# Altium PCB RFMC.PcbDoc (part 2 of 5)
Units mm, origin at the board's own origin, x right, y up, seen from the top; angles counter-clockwise.
Board outline 79.47 x 143.38 mm, 8 copper layers (Top Layer, Layer 1, Layer 2, Layer 3, Layer 4, Layer 5, Layer 6, Bottom Layer), stack 1.644 mm thick; 295 components, 245 nets, 1444 pads, 1952 vias.
Unrouted connection lines stored in the file: 1.
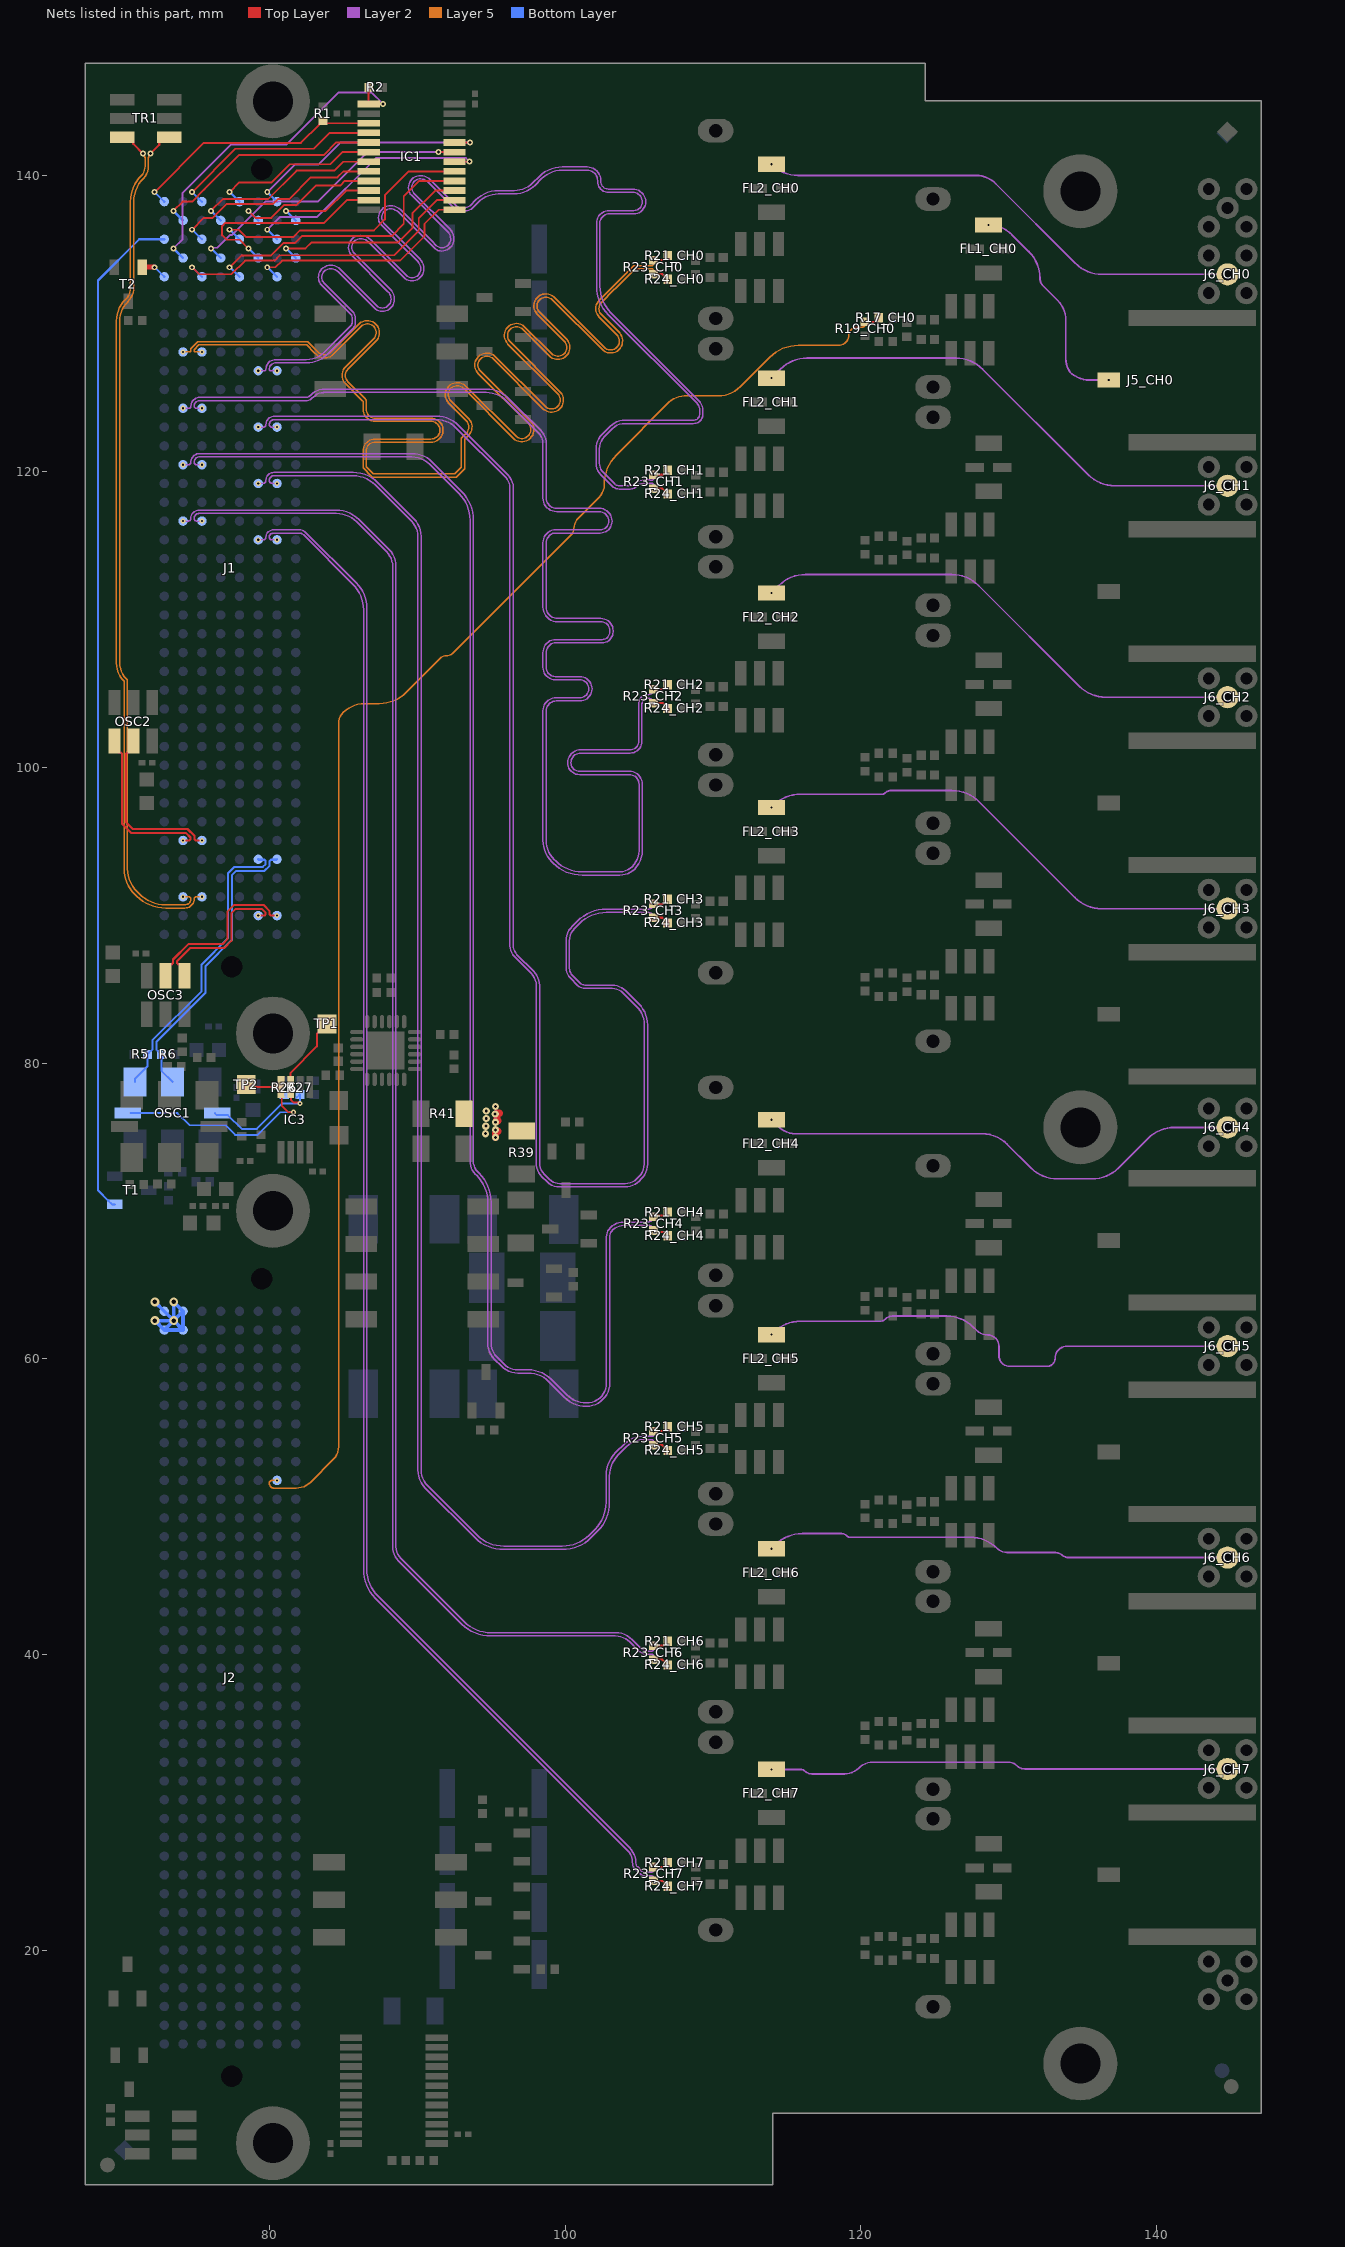
[diagram p8: the nets of this part, all layers, seen from the top]

## Part data
B1 B2 B3 B4 B14 B15 B16: library part PLATED_HOLE2.7_PAD5.0, "Single Terminal Socket", Author="CERN DEM JMW", Component Type="Standard (No BOM)", ComponentHeight=0mm, CreateDate=27.09.2011, Family="Plated Hole", HelpURL=Undefined, LatestRevisionDate=27.09.2011, Mounted=No, PackageDescription="Plated Through Hole: Hole Dia.=2.7mm Pad Dia.=5.0mm", Part Description="Plated Through Hole: Hole Dia.=2.7mm Pad Dia.=5.0mm", Part Number=PLATED_HOLE2.7_PAD5.0, Pin Count=1, Sense=No, SMD=No, Socket=No, Status=None
C1 C14: library part CC0603_4.7UF_25V_10%_X5R, "Non-polarised capacitor", Case=0603, Manufacturer=GENERIC, Manufacturer1 ComponentHeight=0.95mm, Manufacturer1 Example=MURATA, Manufacturer1 Part Number=GRM188R61E475KE11D, Tolerance=±10%, Voltage=25V, Author="CERN DEM JLC", Component Type=Standard, CreateDate=10.11.2014, HelpURL=\\cern.ch\dfs\Applications\Altium\Datasheets\CC0603_MURATA_GRM188R61E475KE11D.pdf, LatestRevisionDate=10.11.2014, Manufacturer Part Number=CC0603_4.7UF_25V_10%_X5R, Mounted=Yes, Part Description="SMD Multilayer Chip Ceramic Capacitor", Part Number=CC0603_4.7UF_25V_10%_X5R, Pin Count=2, Sense=No, SMD=Yes, Socket=No, Status=None, TC=X5R
C2 C5 C15 C20: library part CC0201_1NF_16V_10%_X5R, "Non-polarised capacitor", Case=0201, Manufacturer=GENERIC, Manufacturer1 ComponentHeight=0.33mm, Manufacturer1 Example=AVX, Manufacturer1 Part Number=0201YD102KAT2A, Tolerance=±10%, Voltage=16V, Author="CERN DEM JLC", Component Type=Standard, CreateDate=03.12.2007, HelpURL=\\cern.ch\dfs\Applications\Altium\Datasheets\CC0201_X5R_AVX.pdf, LatestRevisionDate=03.12.2007, Manufacturer Part Number=CC0201_1NF_16V_10%_X5R, Mounted=Yes, Part Description="SMD Multilayer Chip Ceramic Capacitor", Part Number=CC0201_1NF_16V_10%_X5R, Pin Count=2, Sense=No, SMD=Yes, Socket=No, Status="Not Recommended", TC=X5R
C3 C4 C6 C7 C10 C13 C16 C17: library part CC0201_100NF_6.3V_10%_X5R, "Non-polarised capacitor", Case=0201, Manufacturer=GENERIC, Manufacturer1 ComponentHeight=0.33mm, Manufacturer1 Example=AVX, Manufacturer1 Part Number=02016D104KAT2A, Tolerance=±10%, Voltage=6.3V, Author="CERN DEM JLC", Component Type=Standard, CreateDate=03.12.2007, HelpURL=\\cern.ch\dfs\Applications\Altium\Datasheets\CC0201_X5R_AVX.pdf, LatestRevisionDate=03.12.2007, Manufacturer Part Number=CC0201_100NF_6.3V_10%_X5R, Mounted=Yes, Part Description="SMD Multilayer Chip Ceramic Capacitor", Part Number=CC0201_100NF_6.3V_10%_X5R, Pin Count=2, Sense=No, SMD=Yes, Socket=No, Status="Not Recommended", TC=X5R
C8 C21_CH0 C21_CH1 C21_CH2 C21_CH3 C21_CH4 C21_CH5 C21_CH6 C21_CH7 C22_CH0 C22_CH1 C22_CH2 C22_CH3 C22_CH4 C22_CH5 C22_CH6 C22_CH7 C23_CH0 C23_CH1 C23_CH2 C23_CH3 C23_CH4 C23_CH5 C23_CH6 C23_CH7 C24_CH0 C24_CH1 C24_CH2 C24_CH3 C24_CH4 C24_CH5 C24_CH6 C24_CH7: library part CC0402_100NF_16V_10%_X5R, "Non-polarised capacitor", Case=0402, Manufacturer=GENERIC, Manufacturer1 ComponentHeight=0.55mm, Manufacturer1 Example=MURATA, Manufacturer1 Part Number=GRM155R61C104KA88D, Tolerance=±10%, Voltage=16V, Author="CERN DEM JLC", Component Type=Standard, CreateDate=10.12.2013, HelpURL=\\cern.ch\dfs\Applications\Altium\Datasheets\CC0402_X5R_MURATA_GRM.pdf, LatestRevisionDate=10.12.2013, Manufacturer Part Number=CC0402_100NF_16V_10%_X5R, Mounted=Yes, Part Description="SMD Multilayer Chip Ceramic Capacitor", Part Number=CC0402_100NF_16V_10%_X5R, Pin Count=2, Sense=No, SMD=Yes, Socket=No, Status=None, TC=X5R
FL1_CH0 FL1_CH1 FL1_CH2 FL1_CH3 FL1_CH4 FL1_CH5 FL1_CH6 FL1_CH7 FL2_CH0 FL2_CH1 FL2_CH2 FL2_CH3 FL2_CH4 FL2_CH5 FL2_CH6 FL2_CH7: library part FIL_MINI-CIRCUITS_LFCN-1000+, "50 Ohm Low Pass Filter", Manufacturer=MINI-CIRCUITS, Manufacturer Part Number=LFCN-1000+, Author="CERN DEM MR", Component Type=Standard, ComponentHeight=0.94mm, CreateDate=05.04.2019, HelpURL=\\cern.ch\dfs\Applications\Altium\Datasheets\FIL_MINI-CIRCUITS_LFCN-1000+.pdf, LatestRevisionDate=05.04.2019, Mounted=Yes, Part Description="50 Ohm Low Pass Filter", Part Number=FIL_MINI-CIRCUITS_LFCN-1000+, Pin Count=4, Sense=No, SMD=Yes, Socket=No, Status=None
FTG1 FTG3 FTG5: library part FIDUCIAL_TARGET_C100-200, "Fiducial Target", Author="CERN DEM JLC", Component Type="Standard (No BOM)", ComponentHeight=0mm, CreateDate=09.02.2010, Family=Fiducial, HelpURL=Undefined, LatestRevisionDate=04.04.2012, Mounted=No, PackageDescription="Round Fiducial Target, Top Layer, 1.0mm, Top Solder 2.0mm, Keepout =2.0mm", Part Description="Round Fiducial Target, Top Layer, 1.0mm, Top Solder 2.0mm, Keepout =2.0mm", Part Number=FIDUCIAL_TARGET_C100-200, Pin Count=1, Sense=No, SMD=Yes, Socket=No, Status=None
FTG2 FTG4 FTG6: library part FIDUCIAL_TARGET_S100-200, "Fiducial Target", Author="CERN DEM JLC", Component Type="Standard (No BOM)", ComponentHeight=0mm, CreateDate=09.02.2010, Family=Fiducial, HelpURL=Undefined, LatestRevisionDate=04.04.2012, Mounted=No, PackageDescription="Square Fiducial Target, Top Layer, 1.0mm, Top Solder 2.0mm, Keepout =2.0mm", Part Description="Square Fiducial Target, Top Layer, 1.0mm, Top Solder 2.0mm, Keepout =2.0mm", Part Number=FIDUCIAL_TARGET_S100-200, Pin Count=1, Sense=No, SMD=Yes, Socket=No, Status=None
IC1 IC2: "Low-Voltage 16-Bit I2C and SMBus I/O Expander", Case=TSSOP24, Manufacturer="TEXAS INSTRUMENTS", Author="CERN DEM JLC", Bonding=No, Component Type=Standard, ComponentHeight=1.2mm, CreateDate=08.07.2014, Device=TCA6416APWR, HelpURL=\\cern.ch\dfs\Applications\Altium\Datasheets\TCA6416APWR.pdf, LatestRevisionDate=26.11.2015, Manufacturer Part Number=TCA6416APWR, Mounted=Yes, PackageDescription="SOP, 0.65mm Pitch; 24 Pin, 4.40mm W X 7.80mm L X 1.20mm H body, IPC Medium Density", Part Description="Low-Voltage 16-Bit I2C and SMBus I/O Expander with Voltage Translation", Part Number=TCA6416APWR, Pin Count=24, PressFit=No, Sense=No, SMD=Yes, Socket=No
IC3: "2-Channel I2C-Bus Multiplexer", Case=TSSOP8, Manufacturer="NXP SEMICONDUCTORS", Author="CERN DEM BC", Bonding=No, Component Type=Standard, ComponentHeight=1.1mm, CreateDate=16.01.2020, Device=PCA9540BDP, HelpURL=\\cern.ch\dfs\Applications\Altium\Datasheets\PCA9540BDP.pdf, LatestRevisionDate=16.01.2020, Manufacturer Part Number=PCA9540BDP, Mounted=Yes, PackageDescription="SOP, 0.65mm Pitch; 8 Pin, 3.00mm W X 3.00mm L X 1.10mm H body, IPC Medium Density", Part Description="2-Channel I2C-Bus Multiplexer", Part Number=PCA9540BDP, Pin Count=8, PressFit=No, Sense=No, SMD=Yes, Socket=No
IC4: "Low-Voltage 16-Bit I2C and SMBus I/O Expander", Case=QFN24, Manufacturer="TEXAS INSTRUMENTS", Author="CERN DEM MR", Bonding=No, Component Type=Standard, ComponentHeight=0.8mm, CreateDate=01.12.2015, Device=TCA9539RTWR, HelpURL=\\cern.ch\dfs\Applications\Altium\Datasheets\TCA9539RTWR.pdf, LatestRevisionDate=01.12.2015, Manufacturer Part Number=TCA9539RTWR, Mounted=Yes, PackageDescription="QFN, 0.50mm Pitch, Square; 24 Pin, 4.00mm X 4.00mm X 0.80mm H Body (w/Thermal Tab 2.55 X 2.55 mm), IPC Medium Density", Part Description="Low Voltage 16-Bit I2C and SMBus Low-Power I/O Expander With Interrupt Output, Reset Pin, Configuration Registers", Part Number=TCA9539RTWR, Pin Count=25, PressFit=No, Sense=No, SMD=Yes, Socket=No
J1 J2: library part SAMTEC_LPAM-40-01.0-S-08-2-K, "Connector 320 Male contacts in 8 row abcdef", Manufacturer=SAMTEC, Manufacturer Part Number=LPAM-40-01.0-S-08-2-K, Author="CERN DEM BC", Component Type=Standard, ComponentHeight=3.68mm, CreateDate=31.01.2020, HelpURL=\\cern.ch\dfs\Applications\Altium\Datasheets\SAMTEC_LPAM-40-01.0-S-08-2-K.pdf, LatestRevisionDate=31.01.2020, Mounted=Yes, Part Description="320 Contacts (8x40), Pitch 1.27mm, Straight High Speed Low-Profile Open-Pin-Field Header", Part Number=SAMTEC_LPAM-40-01.0-S-08-2-K, Pin Count=320, PressFit=No, Sense=Yes, Sense Comment="Solder Paste Deposition Sensitive – Check Manufacturer Recommendations for Stencil Design", SMD=Yes, Socket=No, Status=None
J3 J4 J6_CH0 J6_CH1 J6_CH2 J6_CH3 J6_CH4 J6_CH5 J6_CH6 J6_CH7: library part HUBER-SUHNER_85_MMCX-50-0-1/111_OE, Manufacturer=HUBER+SUHNER, Manufacturer Part Number=85_MMCX-50-0-1/111_OE, Author="CERN DEM JLC", ComponentHeight=9.6mm, Component Type=Standard, CreateDate=06.11.2014, Family=MMCX, HelpURL=\\cern.ch\dfs\Applications\Altium\Datasheets\HUBER-SUHNER_85_MMCX-50-0-1-111_OE.pdf, LatestRevisionDate=06.11.2014, Mounted=Yes, Part Description="MMCX 50 Ohms Right Angle PCB Jack", Part Number=HUBER-SUHNER_85_MMCX-50-0-1/111_OE, Pin Count=2, PressFit=No, Sense=No, SMD=No, Socket=No, Status=None
J5_CH0 J5_CH1 J5_CH2 J5_CH3 J5_CH4 J5_CH5 J5_CH6 J5_CH7: library part TELEGARTNER_J01151A0451, Manufacturer=TELEGARTNER, Manufacturer Part Number=J01151A0451, Author="CERN DEM JLC", Component Type=Standard, ComponentHeight=7mm, CreateDate=27.10.2016, Family=SMA, HelpURL=\\cern.ch\dfs\Applications\Altium\Datasheets\TELEGARTNER_J01151A0451.pdf, LatestRevisionDate=27.10.2016, Mounted=Yes, Part Description="SMA 50 ohms Edge Mount Bulkhead Jack Receptacle", Part Number=TELEGARTNER_J01151A0451, Pin Count=2, PressFit=No, Sense=No, SMD=No, Socket=No, Status=None
L1 L2 L3 L4: library part IND0603_MURATA_BLM18PG121SN1D, Case=0603, Manufacturer=MURATA, Manufacturer Part Number=BLM18PG121SN1D, Power=2A, Resistance=0.05R, Author="CERN DEM BC", Component Type=Standard, ComponentHeight=0.95mm, CreateDate=27.07.2015, HelpURL=\\cern.ch\dfs\Applications\Altium\Datasheets\IND0603_MURATA_BLM18P.pdf, LatestRevisionDate=25.10.2018, Mounted=Yes, Part Description="SMD EMIFIL Chip Ferrite Bead", Part Number=IND0603_MURATA_BLM18PG121SN1D, Pin Count=2, Sense=No, SMD=Yes, Socket=No, Status=None
MSBOX1_CH0 MSBOX1_CH1 MSBOX1_CH2 MSBOX1_CH3 MSBOX1_CH4 MSBOX1_CH5 MSBOX1_CH6 MSBOX1_CH7 MSBOX2_CH0 MSBOX2_CH1 MSBOX2_CH2 MSBOX2_CH3 MSBOX2_CH4 MSBOX2_CH5 MSBOX2_CH6 MSBOX2_CH7: library part MSBOX_WURTH_3670130, Manufacturer=WURTH, Manufacturer Part Number=3670130, Author="CERN DEM BC", Component Type=Standard, ComponentHeight=5.2mm, CreateDate=19.04.2021, HelpURL=\\cern.ch\dfs\Applications\Altium\Datasheets\MSBOX_WURTH_3670130.pdf, LatestRevisionDate=19.04.2021, Mounted=Yes, PackageDescription="Seamless Shielding Cabinet SMD-Frame WE-SHC (Two-Piece), Internal Dimensions 12.4 x 12.4mm", Part Description="Seamless Shielding Cabinet SMD-Frame WE-SHC (Two-Piece), Internal Dimensions 12.4 x 12.4mm", Part Number=MSBOX_WURTH_3670130, Pin Count=2, PressFit=No, Sense=No, SMD=Yes, Socket=No, Status=None
MSBOXC1_CH0 MSBOXC1_CH1 MSBOXC1_CH2 MSBOXC1_CH3 MSBOXC1_CH4 MSBOXC1_CH5 MSBOXC1_CH6 MSBOXC1_CH7 MSBOXC2_CH0 MSBOXC2_CH1 MSBOXC2_CH2 MSBOXC2_CH3 MSBOXC2_CH4 MSBOXC2_CH5 MSBOXC2_CH6 MSBOXC2_CH7: library part MSBOX_WURTH_3671130, "Metal Screening Box - Top Cover 0 Pin", Manufacturer=WURTH, Manufacturer Part Number=3671130, Author="CERN DEM BC", Component Type=Standard, ComponentHeight=3mm, CreateDate=19.04.2021, HelpURL=\\cern.ch\dfs\Applications\Altium\Datasheets\MSBOX_WURTH_3671130.pdf, LatestRevisionDate=19.04.2021, Mounted=Yes, PackageDescription="Top Cover For Frame WE-SHC (Two-Piece) Seamless Shielding Cabinet, Internal Dimensions 12.4 x 12.4mm", Part Description="Top Cover For Frame WE-SHC (Two-Piece) Seamless Shielding Cabinet, Internal Dimensions 12.4 x 12.4mm", Part Number=MSBOX_WURTH_3671130, Pin Count=0, PressFit=No, Sense=No, SMD=No, Socket=No, Status=None
OSC1 OSC4: library part OSC_0.2-250MHZ_SILICON-LAB_549CBAC000112ABG, "Any-Rate I2C Programmable XO Oscillator Si549 Series", Manufacturer="SILICON LABS", Manufacturer Part Number=549CBAC000112ABG, Author="CERN DEM BC", Bonding=No, Component Type=Standard, ComponentHeight=1.33mm, CreateDate=25.10.2019, HelpURL=\\cern.ch\dfs\Applications\Altium\Datasheets\OSC_SILICON-LAB_SI549.pdf, LatestRevisionDate=25.10.2019, Mounted=Yes, PackageDescription="Oscillator Si549 Series, 8 pins, 5x7mm", Part Description="0.2-250MHz, 1.8V/2.5V/3.3V ±10ppm CMOS , Any-Rate I2C Programmable XO Oscillator Si549 Series", Part Number=OSC_0.2-250MHZ_SILICON-LAB_549CBAC000112ABG, Pin Count=8, PressFit=No, Sense=No, SMD=Yes, Socket=No
OSC2 OSC3: library part OSC_125MHZ_SILICON-LAB_511BBA125M000BAGR, "Crystal Oscillator 6 pins, Si511 (LVDS/LVPECL/HCSL/Dual CMOS)", Manufacturer="SILICON LABS", Manufacturer Part Number=511BBA125M000BAGR, Author="CERN DEM JLC", Bonding=No, Component Type=Standard, ComponentHeight=1.28mm, CreateDate=26.11.2018, HelpURL=\\cern.ch\dfs\Applications\Altium\Datasheets\OSC_SILICON-LAB_SI511.pdf, LatestRevisionDate=26.11.2018, Mounted=Yes, PackageDescription="Oscillator Si510 Series, 6 pins, 3.2x5mm", Part Description="3.3V, ±50ppm, -40°C to +85°C, LVDS XO Oscillator, Si510 Series", Part Number=OSC_125MHZ_SILICON-LAB_511BBA125M000BAGR, Pin Count=6, PressFit=No, Sense=No, SMD=Yes, Socket=No
R1 R2 R3 R8 R9 R10 R11 R12 R36 R51 R52 R53 R54 R55 R56 R57 R58 R59 R60: library part R0402_10K_1%_0.0625W_100PPM, "Resistor - 1%", Case=0402, Manufacturer=GENERIC, Manufacturer1 ComponentHeight=0.4mm, Manufacturer1 Example="YAGEO PHYCOMP", Manufacturer1 Part Number=232270671003L, Power=0.0625W, Tolerance=±1%, Author="CERN DEM JLC", Component Type=Standard, CreateDate=03.12.2007, HelpURL=\\cern.ch\dfs\Applications\Altium\Datasheets\R0402_Phycomp_RC0402.pdf, LatestRevisionDate=17.10.2012, Manufacturer Part Number=R0402_10K_1%_0.0625W_100PPM, Mounted=Yes, Part Description="General Purpose Thick Film Chip Resistor", Part Number=R0402_10K_1%_0.0625W_100PPM, Pin Count=2, Sense=No, SMD=Yes, Socket=No, TC=±100ppm/°C
  R1 R2 R3 R8 R9 R10 R11 R12 R60: PressFit=No, Status="Not Recommended"
  R36 R51 R52 R53 R54 R55 R56 R57 R58 R59: Status="Not recommended"
R4 R7 R13 R16: library part R0402_0R_JUMPER, "Resistor", Case=0402, Manufacturer=GENERIC, Manufacturer1 ComponentHeight=0.4mm, Manufacturer1 Example="YAGEO PHYCOMP", Manufacturer1 Part Number=232270591001L, Author="CERN DEM JLC", Component Type=Standard, CreateDate=03.12.2007, HelpURL=\\cern.ch\dfs\Applications\Altium\Datasheets\R0402_Phycomp_RC0402.pdf, LatestRevisionDate=17.10.2012, Manufacturer Part Number=R0402_0R_JUMPER, Mounted=Yes, Part Description="1A (0.05R Max DC Resistance) Zero Ohm Jumper", Part Number=R0402_0R_JUMPER, Pin Count=2, PressFit=No, Sense=No, SMD=Yes, Socket=No, Status="Not Recommended"
R5 R6 R14 R15 R25: library part R0402_200R_1%_0.0625W_100PPM, "Resistor - 1%", Case=0402, Manufacturer=GENERIC, Manufacturer1 ComponentHeight=0.4mm, Manufacturer1 Example="YAGEO PHYCOMP", Manufacturer1 Part Number=232270672001L, Power=0.0625W, Tolerance=±1%, Author="CERN DEM JLC", Component Type=Standard, CreateDate=03.12.2007, HelpURL=\\cern.ch\dfs\Applications\Altium\Datasheets\R0402_Phycomp_RC0402.pdf, LatestRevisionDate=17.10.2012, Manufacturer Part Number=R0402_200R_1%_0.0625W_100PPM, Mounted=Yes, Part Description="General Purpose Thick Film Chip Resistor", Part Number=R0402_200R_1%_0.0625W_100PPM, Pin Count=2, PressFit=No, Sense=No, SMD=Yes, Socket=No, Status="Not Recommended", TC=±100ppm/°C
R17_CH0 R17_CH1 R17_CH2 R17_CH3 R17_CH4 R17_CH5 R17_CH6 R17_CH7 R20_CH0 R20_CH1 R20_CH2 R20_CH3 R20_CH4 R20_CH5 R20_CH6 R20_CH7 R21_CH0 R21_CH1 R21_CH2 R21_CH3 R21_CH4 R21_CH5 R21_CH6 R21_CH7 R24_CH0 R24_CH1 R24_CH2 R24_CH3 R24_CH4 R24_CH5 R24_CH6 R24_CH7: library part R0402_17R4_1%_0.1W_100PPM, "Resistor - 1%", Case=0402, Manufacturer=GENERIC, Manufacturer1 ComponentHeight=0.4mm, Manufacturer1 Example=PANASONIC, Manufacturer1 Part Number=ERJ2RKF17R4X, Power=0.1W, Tolerance=±1%, Voltage=50V, Author="CERN DEM BC", Component Type=Standard, CreateDate=19.04.2021, HelpURL=\\cern.ch\dfs\Applications\Altium\Datasheets\R0402_PANASONIC_ERJ2RK.pdf, LatestRevisionDate=19.04.2021, Manufacturer Part Number=R0402_17R4_1%_0.1W_100PPM, Mounted=Yes, Part Description="General Purpose Thick Film Chip Resistor", Part Number=R0402_17R4_1%_0.1W_100PPM, Pin Count=2, PressFit=No, Sense=No, SMD=Yes, Socket=No, Status="Not Recommended", TC=±100ppm/°C
R18_CH0 R18_CH1 R18_CH2 R18_CH3 R18_CH4 R18_CH5 R18_CH6 R18_CH7 R19_CH0 R19_CH1 R19_CH2 R19_CH3 R19_CH4 R19_CH5 R19_CH6 R19_CH7 R22_CH0 R22_CH1 R22_CH2 R22_CH3 R22_CH4 R22_CH5 R22_CH6 R22_CH7 R23_CH0 R23_CH1 R23_CH2 R23_CH3 R23_CH4 R23_CH5 R23_CH6 R23_CH7: library part R0402_590R_1%_0.1W_100PPM, "Resistor - 1%", Case=0402, Manufacturer=GENERIC, Manufacturer1 ComponentHeight=0.4mm, Manufacturer1 Example=PANASONIC, Manufacturer1 Part Number=ERJ2RKF5900X, Power=0.1W, Tolerance=±1%, Voltage=50V, Author="CERN DEM BC", Component Type=Standard, CreateDate=19.04.2021, HelpURL=\\cern.ch\dfs\Applications\Altium\Datasheets\R0402_PANASONIC_ERJ2RK.pdf, LatestRevisionDate=19.04.2021, Manufacturer Part Number=R0402_590R_1%_0.1W_100PPM, Mounted=Yes, Part Description="General Purpose Thick Film Chip Resistor", Part Number=R0402_590R_1%_0.1W_100PPM, Pin Count=2, PressFit=No, Sense=No, SMD=Yes, Socket=No, Status="Not Recommended", TC=±100ppm/°C
R26 R27 R28 R29: library part R0402_4K7_1%_0.0625W_100PPM, "Resistor - 1%", Case=0402, Manufacturer=GENERIC, Manufacturer1 ComponentHeight=0.4mm, Manufacturer1 Example="YAGEO PHYCOMP", Manufacturer1 Part Number=232270674702L, Power=0.0625W, Tolerance=±1%, Author="CERN DEM JLC", Component Type=Standard, CreateDate=03.12.2007, HelpURL=\\cern.ch\dfs\Applications\Altium\Datasheets\R0402_Phycomp_RC0402.pdf, LatestRevisionDate=17.10.2012, Manufacturer Part Number=R0402_4K7_1%_0.0625W_100PPM, Mounted=Yes, Part Description="General Purpose Thick Film Chip Resistor", Part Number=R0402_4K7_1%_0.0625W_100PPM, Pin Count=2, PressFit=No, Sense=No, SMD=Yes, Socket=No, Status="Not Recommended", TC=±100ppm/°C
R30 R31 R33 R34: library part R2512_10R_0.1%_2.5W_25PPM, "Resistor - 0.1%", Case=2512, Manufacturer="VISHAY DALE", Manufacturer Part Number=PHP02512E10R0BST3, Power=2.5W, Tolerance=±0.1%, Author="CERN DEM JLC", Component Type=Standard, ComponentHeight=0.84mm, CreateDate=06.06.2017, HelpURL=\\cern.ch\dfs\Applications\Altium\Datasheets\R2512_VISHAY_PHP.pdf, LatestRevisionDate=06.06.2017, Mounted=Yes, Part Description="High Power Thin Film Wraparound Chip Resistor", Part Number=R2512_10R_0.1%_2.5W_25PPM, Pin Count=2, PressFit=No, Sense=No, SMD=Yes, Socket=No, Status="Not Recommended", TC=±25ppm/°C
R32 R35: library part R2512_4R7_1%_3W_100PPM_TYCO_3522, "Resistor - 1%", Case=2512, Manufacturer=TYCO, Manufacturer Part Number="1-2176230-0 (35224R7JT)", Power=3W, Tolerance=±1%, Author="CERN DEM MR", Component Type=Standard, ComponentHeight=1.2mm, CreateDate=09.01.2018, HelpURL=\\cern.ch\dfs\Applications\Altium\Datasheets\R2512_TYCO_3522.pdf, LatestRevisionDate=09.01.2018, Mounted=Yes, Part Description="SMD Power Resistor", Part Number=R2512_4R7_1%_3W_100PPM_TYCO_3522, Pin Count=2, PressFit=No, Sense=No, SMD=Yes, Socket=No, Status=None, TC=±100ppm/°C
R37 R38: library part R1206_15R_1%_0.25W_100PPM, "Resistor - 1%", Case=1206, Manufacturer=GENERIC, Manufacturer1 ComponentHeight=0.65mm, Manufacturer1 Example="NIC COMPONENT", Manufacturer1 Part Number=NRC12F15R0TRF, Power=0.25W, Tolerance=±1%, Author="CERN DEM JLC", Component Type=Standard, CreateDate=03.12.2007, HelpURL=\\cern.ch\dfs\Applications\Altium\Datasheets\R1206_NIC_NRC.pdf, LatestRevisionDate=13.03.2008, Manufacturer Part Number=R1206_15R_1%_0.25W_100PPM, Mounted=Yes, Part Description="General Purpose Thick Film Chip Resistor", Part Number=R1206_15R_1%_0.25W_100PPM, Pin Count=2, PressFit=No, Sense=No, SMD=Yes, Socket=No, Status=Preferred, TC=±100ppm/°C
R39 R40 R41 R42: library part R1206_13R_1%_0.25W_100PPM, "Resistor - 1%", Case=1206, Manufacturer=GENERIC, Manufacturer1 ComponentHeight=0.65mm, Manufacturer1 Example="NIC COMPONENT", Manufacturer1 Part Number=NRC12F13R0TRF, Power=0.25W, Tolerance=±1%, Author="CERN DEM JLC", Component Type=Standard, CreateDate=03.12.2007, HelpURL=\\cern.ch\dfs\Applications\Altium\Datasheets\R1206_NIC_NRC.pdf, LatestRevisionDate=13.03.2008, Manufacturer Part Number=R1206_13R_1%_0.25W_100PPM, Mounted=Yes, Part Description="General Purpose Thick Film Chip Resistor", Part Number=R1206_13R_1%_0.25W_100PPM, Pin Count=2, PressFit=No, Sense=No, SMD=Yes, Socket=No, Status=Preferred, TC=±100ppm/°C
R43 R44 R45 R46 R47 R48 R49 R50: library part R2512_3R3_1%_1W_200PPM, "Resistor - 1%", Case=2512, Manufacturer=GENERIC, Manufacturer1 ComponentHeight=0.65mm, Manufacturer1 Example="YAGEO PHYCOMP", Manufacturer1 Part Number="232276363308L or RC2512FK-073R3L", Power=1W, Tolerance=±1%, Author="CERN DEM JLC", Component Type=Standard, CreateDate=21.07.2008, HelpURL=\\cern.ch\dfs\Applications\Altium\Datasheets\R2512_Phycomp_RC2512.pdf, LatestRevisionDate=17.10.2012, Manufacturer Part Number=R2512_3R3_1%_1W_200PPM, Mounted=Yes, Part Description="Thick Film Chip Resistor", Part Number=R2512_3R3_1%_1W_200PPM, Pin Count=2, PressFit=No, Sense=No, SMD=Yes, Socket=No, Status=Preferred, TC=±200ppm/°C
SW1 SW3: library part SW_OMRON_A6SN-3101, "3 Ways SPST DIP Switch", Manufacturer=OMRON, Manufacturer Part Number=A6SN-3101, Author="CERN DEM MR", Component Type=Standard, ComponentHeight=4.6mm, CreateDate=04.11.2016, Family=Switch, HelpURL=\\cern.ch\dfs\Applications\Altium\Datasheets\SW_OMRON_A6SN-3101.pdf, LatestRevisionDate=04.11.2016, Mounted=Yes, PackageDescription="Pitch 2.54mm, Body 9.6x7.5, 3 Ways SPST Surface-Mounting Slide Switch With Flat Actuator (A6SN Series)", Part Description="3 Ways SPST Surface-Mounting Slide Switch With Flat Actuator, Contact Rating 25mA 24VDC", Part Number=SW_OMRON_A6SN-3101, Pin Count=6, PressFit=No, Sense=No, SMD=Yes, Socket=No, Status=None
SW2: library part SW_OMRON_A6SN-4101, "4 Ways SPST DIP Switch", Manufacturer=OMRON, Manufacturer Part Number=A6SN-4101, Author="CERN DEM MR", Component Type=Standard, ComponentHeight=4.6mm, CreateDate=07.12.2016, Family=Switch, HelpURL=\\cern.ch\dfs\Applications\Altium\Datasheets\SW_OMRON_A6SN-4101.pdf, LatestRevisionDate=07.12.2016, Mounted=Yes, PackageDescription="Pitch 2.54mm, Body 12.1x7.5, 4 Ways SPST Surface-Mounting Slide Switch With Flat Actuator (A6SN Series)", Part Description="4 Ways SPST Surface-Mounting Slide Switch With Flat Actuator, Contact Rating 25mA 24VDC", Part Number=SW_OMRON_A6SN-4101, Pin Count=8, PressFit=No, Sense=No, SMD=Yes, Socket=No, Status=None
T1 T2 T3 T4: "N-CHANNEL MOSFET WITH DIODE", Case=SOT23-3, Manufacturer="ON SEMICONDUCTOR", Author="CERN DEM JLC", Bonding=No, Component Type=Standard, ComponentHeight=1.11mm, CreateDate=23.03.2009, Device=BSS138LT1G, HelpURL=\\cern.ch\dfs\Applications\Altium\Datasheets\BSS138LT1G.pdf, LatestRevisionDate=23.03.2009, Manufacturer Part Number=BSS138LT1G, Mounted=Yes, PackageDescription="SOT23 3-Leads, Pitch 0.95mm - Body 1.4x3mm, IPC Medium Density", Part Description="50V 200mA N-Channel Enhancement Mode Field-Effect Transistor", Part Number=BSS138LT1G, Pin Count=3, PressFit=No, Sense=No, SMD=Yes, Socket=No
T5 T6 T7 T8 T9 T10 T11 T12 T13 T14: "20V, 6.9A, N-Channel Enhancement Mode MOSFET", Case=SOT23-3, Manufacturer="DIODES INCORPORATED", Author="CERN DEM JLC", Bonding=No, Component Type=Standard, ComponentHeight=1.15mm, CreateDate=17.11.2014, Device=DMN2020LSN-7, HelpURL=\\cern.ch\dfs\Applications\Altium\Datasheets\DMN2020LSN-7.pdf, LatestRevisionDate=19.11.2014, Manufacturer Part Number=DMN2020LSN-7, Mounted=Yes, PackageDescription="SOT23, 0.95mm Pitch; 3 Pin, 1.6mm W X 3mm L X 1.4mm H Body, IPC Medium Density", Part Description="20V, 6.9A, N-Channel Enhancement Mode MOSFET", Part Number=DMN2020LSN-7, Pin Count=3, PressFit=No, Sense=No, SMD=Yes, Socket=No
TP1 TP2 TP3 TP4: library part SMD_PAD_1.27X1.27MM, Author="CERN DEM JLC", Component Type="Standard (No BOM)", ComponentHeight=0mm, CreateDate=12.01.2008, Family="Test Point", HelpURL=Undefined, LatestRevisionDate=12.01.2008, Mounted=No, PackageDescription="1.27mm x 1.27mm PCB Copper Area (SMD Test Point)", Part Description="1.27mm x 1.27mm PCB Copper Area (SMD Test Point)", Part Number=SMD_PAD_1.27X1.27MM, Pin Count=1, Sense=No, SMD=Yes, Socket=No, Status=None
TR1 TR2 TR3_CH0 TR3_CH1 TR3_CH2 TR3_CH3 TR3_CH4 TR3_CH5 TR3_CH6 TR3_CH7 TR4_CH0 TR4_CH1 TR4_CH2 TR4_CH3 TR4_CH4 TR4_CH5 TR4_CH6 TR4_CH7: library part XFMR_MINI-CIRCUITS_TCM2-33WX+, "50 OHMS 10 to 3000 MHz RF Transformer", Manufacturer=MINI-CIRCUITS, Manufacturer Part Number=TCM2-33WX+, Power=0.4W, Author="CERN DEM MR", Component Type=Standard, ComponentHeight=4.06mm, CreateDate=01.12.2016, HelpURL=\\cern.ch\dfs\Applications\Altium\Datasheets\XFMR_MINI-CIRCUITS_TCM2-33WX+.pdf, LatestRevisionDate=01.12.2016, Mounted=Yes, Part Description="50 Ohms 10 to 3000MHz RF Transformer", Part Number=XFMR_MINI-CIRCUITS_TCM2-33WX+, Pin Count=6, Sense=No, SMD=Yes, Socket=No, Status=None

## Via types
v1: diameter 0.48, hole 0.25, Top Layer to Bottom Layer, tented both sides, 1389 vias
v2: diameter 0.6, hole 0.3, Top Layer to Bottom Layer, tented both sides, 219 vias
v3: diameter 0.5, hole 0.2, Top Layer to Bottom Layer, tented both sides, 162 vias
v4: diameter 0.35, hole 0.15, Top Layer to Bottom Layer, tented both sides, 106 vias
v5: diameter 0.4, hole 0.2, Top Layer to Bottom Layer, tented both sides, 67 vias
v6: diameter 0.5, hole 0.25, Top Layer to Bottom Layer, tented both sides, 9 vias
